# KiCad board V1.2.kicad_pcb (continued)
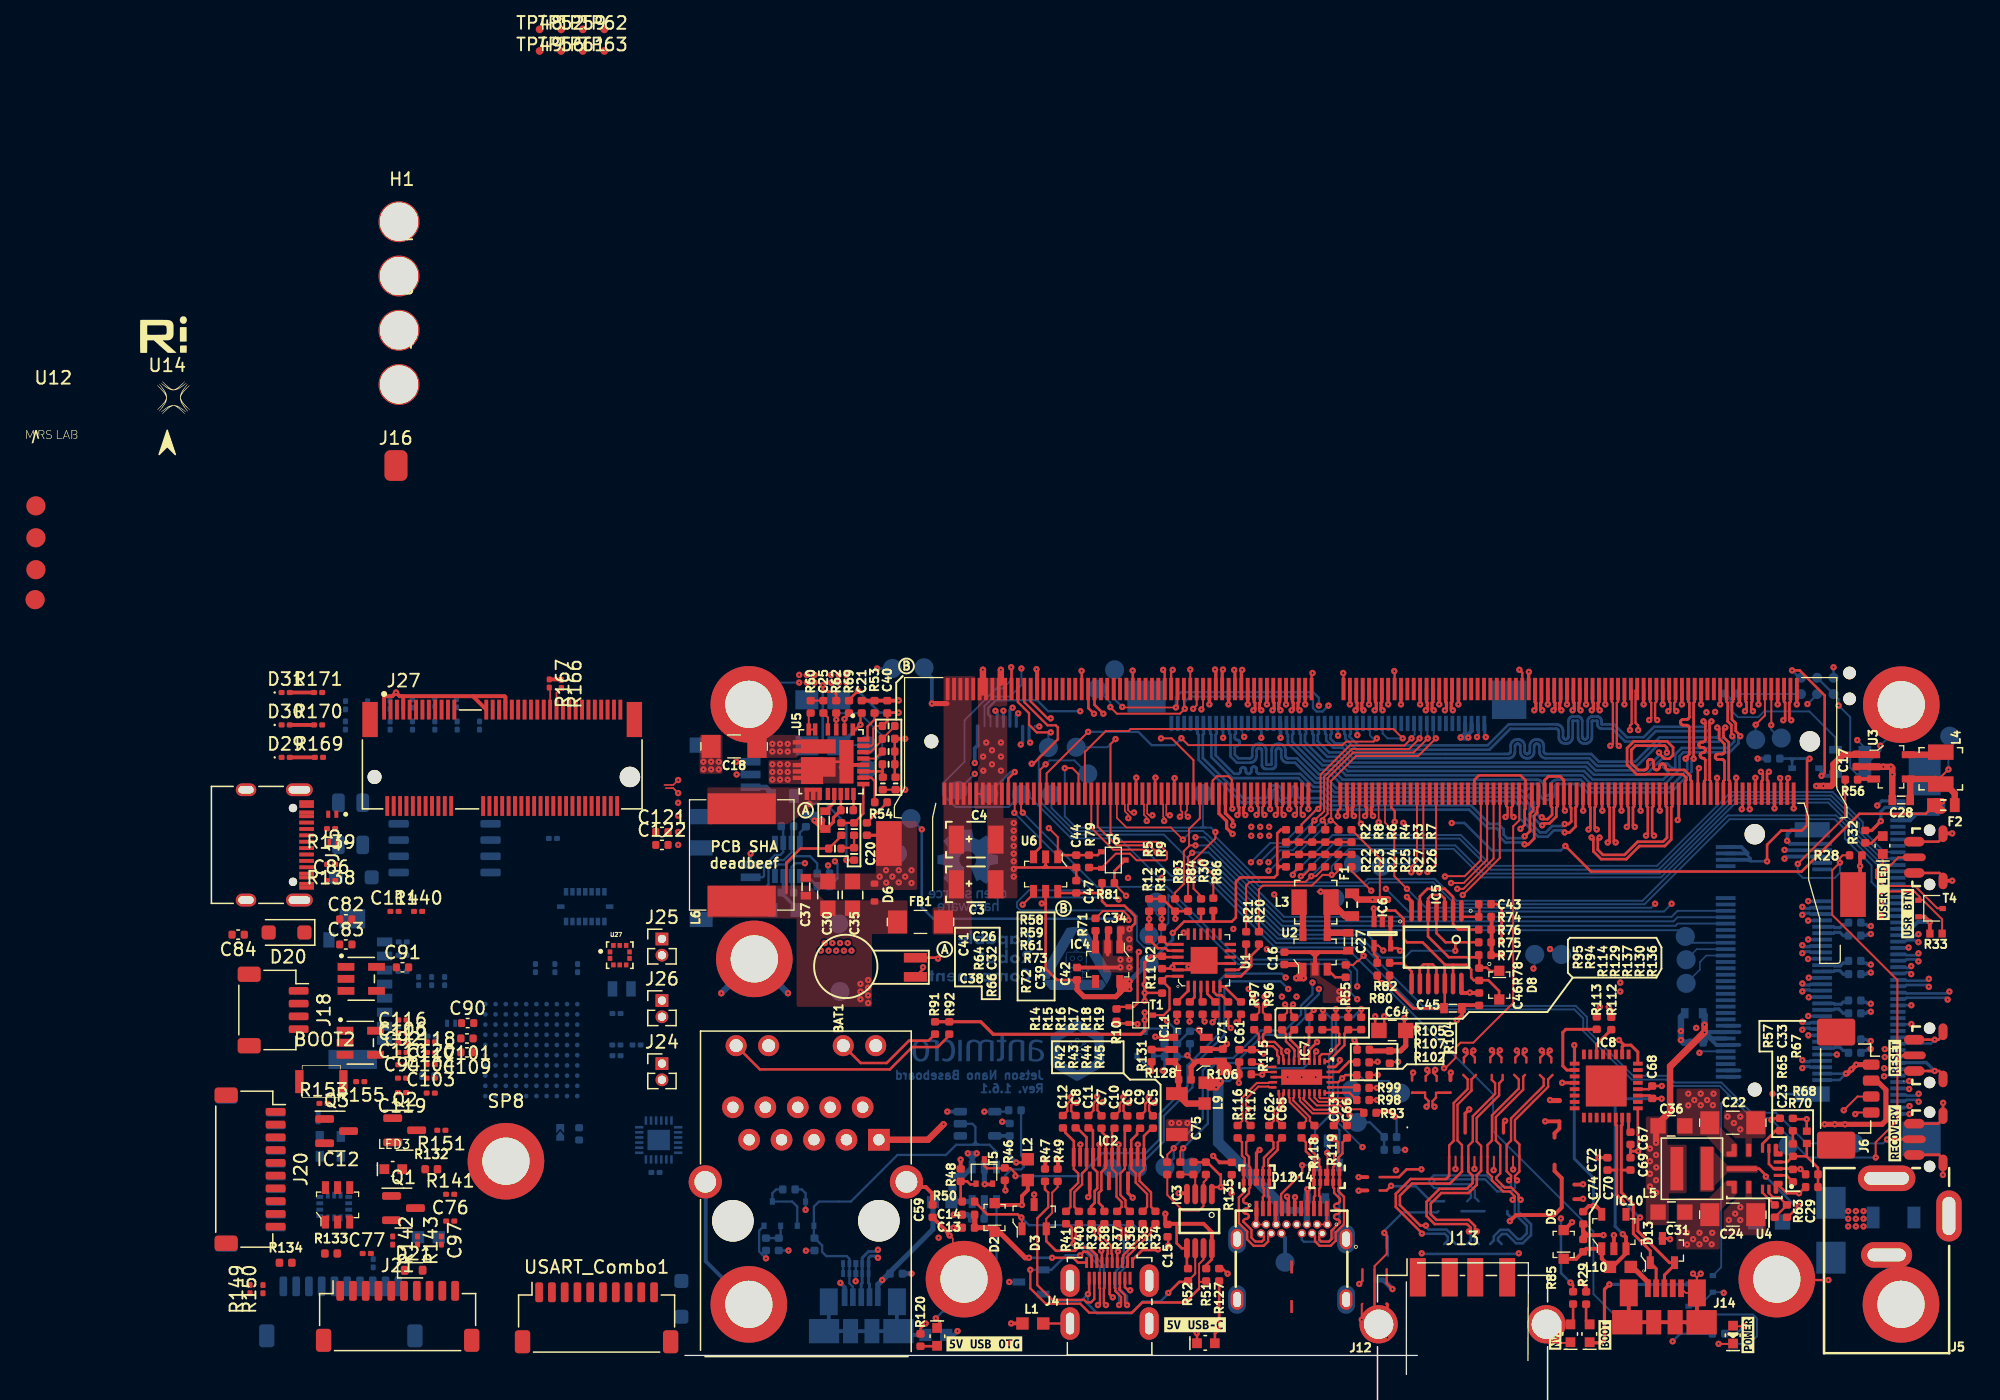
[diagram p0: board, top side]
## Routing (per net, layer and track width the routed paths; a pad name or vN(x,y) marks a point on that pad's centre or on a via; arc(x,y) is an arc through that point) (continued)
/CSI/CSI_D_D1_N: length 55.2
  Top w0.21: 71.24,42.78 71.24,44.42 71.32,44.5 71.32,45.49
  In5_3V3_SYS_SIGNAL.Cu w0.128: 95.86,20.4 95.69,20.57 94.23,20.57 93.63,21.17 82.84,21.17 81.18,22.83 77.06,22.83 73.92,25.97 73.92,26.55 73.92,26.58 73.91,26.6 73.89,26.63 73.87,26.65 73.85,26.66 73.82,26.67 73.8,26.67 73.65,26.67 73.57,26.68 73.49,26.71 73.43,26.75 73.37,26.81 73.33,26.87 73.3,26.95 73.29,27.03 73.29,27.08 73.3,27.16 73.33,27.23 73.37,27.3 73.43,27.36 73.49,27.4 73.57,27.43 73.65,27.43 74.42,27.43 74.45,27.44 74.48,27.45 74.5,27.46 74.52,27.48 74.53,27.5 74.54,27.53 74.55,27.56 74.55,27.57 74.54,27.59 74.53,27.62 74.52,27.64 74.5,27.66 74.48,27.68 74.45,27.69 74.42,27.69 73.68,27.69 73.6,27.7 73.53,27.72 73.47,27.76 73.42,27.82 73.38,27.88 73.35,27.95 73.34,28.02 73.34,28.12 73.35,28.19 73.38,28.26 73.42,28.33 73.47,28.38 73.53,28.42 73.6,28.44 73.68,28.45 74.42,28.45 74.45,28.46 74.48,28.46 74.5,28.48 74.52,28.5 74.53,28.52 74.54,28.55 74.55,28.58 74.55,28.58 74.54,28.61 74.53,28.64 74.52,28.66 74.5,28.68 74.48,28.7 74.45,28.71 74.42,28.71 73.65,28.71 73.57,28.72 73.49,28.74 73.43,28.79 73.37,28.84 73.33,28.91 73.3,28.98 73.29,29.06 73.29,29.12 73.3,29.19 73.33,29.27 73.37,29.34 73.43,29.39 73.49,29.44 73.57,29.46 73.65,29.47 73.8,29.47 73.82,29.47 73.85,29.48 73.87,29.5 73.89,29.52 73.91,29.54 73.92,29.57 73.92,29.59 73.92,38.98 73.19,39.71 71.21,39.71 70.98,39.94 69.95,40.97 69.95,43.21 70.25,43.51 71.05,43.51 71.2,43.36 71.2,42.88 v1(71.4,42.69)
  Bottom w0.21: 94.84,20.43 95.84,20.43
  vias: v1(95.89,20.4)
/CSI/CSI_D_D1_P: length 55.3
  Top w0.21: v1(70.76,42.69) 70.9,42.83 70.9,44.42 70.82,44.5 M1.66
  In5_3V3_SYS_SIGNAL.Cu w0.128: 95.86,21.03 95.66,20.83 95.37,20.83 95.34,20.83 95.32,20.84 95.29,20.85 95.27,20.87 95.26,20.9 95.25,20.93 95.24,20.95 95.24,21.06 95.24,21.09 95.23,21.12 95.21,21.14 95.19,21.16 95.17,21.18 95.14,21.19 95.11,21.19 95.09,21.19 95.06,21.18 95.04,21.16 95.01,21.14 95,21.12 94.99,21.09 94.99,21.06 94.99,20.95 94.98,20.93 94.97,20.9 94.96,20.87 94.94,20.85 94.91,20.84 94.89,20.83 94.86,20.83 94.33,20.83 94.31,20.85 94.3,20.88 94.29,20.9 94.29,20.93 94.3,20.96 94.31,20.99 94.33,21.01 94.48,21.15 94.49,21.18 94.51,21.2 94.51,21.23 94.51,21.26 94.51,21.29 94.49,21.31 94.48,21.34 94.45,21.35 94.43,21.37 94.4,21.37 94.37,21.37 94.34,21.37 94.32,21.35 94.3,21.34 94.15,21.19 94.13,21.17 94.1,21.16 94.07,21.15 94.04,21.15 94.02,21.16 93.99,21.17 93.97,21.19 93.74,21.42 82.95,21.42 81.28,23.09 77.16,23.09 74.17,26.08 74.17,26.57 74.16,26.65 74.14,26.72 74.1,26.79 74.04,26.85 73.97,26.89 73.9,26.92 73.82,26.93 73.67,26.93 73.64,26.93 73.62,26.94 73.59,26.95 73.57,26.97 73.56,27 73.55,27.02 73.55,27.05 73.55,27.06 73.55,27.09 73.56,27.11 73.57,27.13 73.59,27.15 73.62,27.17 73.64,27.18 73.67,27.18 74.45,27.18 74.52,27.19 74.6,27.22 74.67,27.26 74.72,27.32 74.76,27.38 74.79,27.46 74.8,27.54 74.8,27.59 74.79,27.67 74.76,27.74 74.72,27.81 74.67,27.87 74.6,27.91 74.52,27.93 74.45,27.94 73.7,27.94 73.67,27.95 73.65,27.95 73.63,27.96 73.62,27.98 73.61,28 73.6,28.02 73.6,28.04 73.6,28.1 73.6,28.12 73.61,28.14 73.62,28.16 73.63,28.18 73.65,28.19 73.67,28.2 73.7,28.2 74.45,28.2 74.52,28.21 74.6,28.23 74.67,28.28 74.72,28.33 74.76,28.4 74.79,28.48 74.8,28.55 74.8,28.61 74.79,28.69 74.76,28.76 74.72,28.83 74.67,28.88 74.6,28.93 74.52,28.95 74.45,28.96 73.67,28.96 73.64,28.96 73.62,28.97 73.59,28.99 73.57,29.01 73.56,29.03 73.55,29.06 73.55,29.08 73.55,29.09 73.55,29.12 73.56,29.15 73.57,29.17 73.59,29.19 73.62,29.21 73.64,29.21 73.67,29.22 73.82,29.22 73.9,29.23 73.97,29.25 74.04,29.29 74.1,29.35 74.14,29.42 74.16,29.49 74.17,29.57 74.17,39.09 73.29,39.97 71.31,39.97 70.2,41.08 70.2,43.11 70.35,43.26 70.95,43.26 70.95,42.88 v1(70.76,42.69)
  Bottom w0.21: 94.84,20.93 95.8,20.93 95.86,20.99
  vias: v1(95.89,21.03)
/CSI/CSI_E_CLK_N: length 43.8
  Top w0.21: M1.28 80.32,46.48 80.24,46.56 80.24,51.02 v1(80.38,51.16)
  Bottom w0.21: 51.64,50.91 51.64,50.19 51.72,50.11 51.72,49.81 52.59,48.94 62.99,48.94 64.64,50.58 68.21,50.58 68.26,50.58 68.31,50.56 68.34,50.54 68.38,50.5 68.4,50.46 68.42,50.42 68.42,50.37 68.42,49.93 68.44,49.82 68.47,49.71 68.54,49.61 68.62,49.53 68.71,49.47 68.82,49.43 68.94,49.42 69,49.42 69.11,49.43 69.22,49.47 69.32,49.53 69.4,49.61 69.46,49.71 69.5,49.82 69.51,49.93 69.51,51.14 69.52,51.16 69.52,51.17 69.53,51.18 69.54,51.19 69.55,51.2 69.56,51.2 69.57,51.2 69.88,51.2 69.89,51.2 69.9,51.2 69.91,51.19 69.92,51.18 69.93,51.17 69.93,51.16 69.93,51.14 69.93,49.93 69.95,49.82 69.98,49.71 70.05,49.61 70.13,49.53 70.22,49.47 70.33,49.43 70.45,49.42 70.51,49.42 70.62,49.43 70.73,49.47 70.83,49.53 70.91,49.61 70.97,49.71 71.01,49.82 71.02,49.93 71.02,51.14 71.03,51.16 71.03,51.17 71.04,51.18 71.05,51.19 71.06,51.2 71.07,51.2 71.08,51.2 71.39,51.2 71.4,51.2 71.41,51.2 71.42,51.19 71.43,51.18 71.44,51.17 71.44,51.16 71.44,51.14 71.44,50.95 71.45,50.87 71.48,50.79 71.52,50.72 71.58,50.66 71.65,50.62 71.73,50.59 71.81,50.58 72.62,50.58 73.62,49.58 75.21,49.58 76.03,50.39 80.04,50.39 80.24,50.59 80.24,51.02 v1(80.38,51.16)
/CSI/CSI_E_CLK_P: length 43.8
  Top w0.21: M1.30 79.82,46.48 79.9,46.56 79.9,48.07 79.9,48.12 79.88,48.16 79.86,48.2 79.82,48.23 79.78,48.26 79.74,48.27 79.65,48.28 79.61,48.3 79.57,48.32 79.53,48.36 79.51,48.4 79.49,48.44 79.49,48.49 79.49,48.49 79.49,48.54 79.51,48.58 79.53,48.62 79.57,48.65 79.61,48.68 79.65,48.69 79.74,48.7 79.78,48.72 79.82,48.74 79.86,48.78 79.88,48.82 79.9,48.86 79.9,48.91 79.9,48.95 79.88,49 79.86,49.04 79.82,49.07 79.78,49.09 79.74,49.11 79.69,49.12 79.6,49.12 79.55,49.12 79.51,49.14 79.47,49.16 79.43,49.19 79.41,49.23 79.39,49.28 79.39,49.33 79.39,49.37 79.41,49.42 79.43,49.46 79.47,49.49 79.51,49.51 79.55,49.53 79.6,49.54 79.69,49.54 79.74,49.54 79.78,49.56 79.82,49.58 79.86,49.61 79.88,49.65 79.9,49.7 79.9,49.75 79.9,51.02 v1(79.76,51.16)
  Bottom w0.21: v1(79.76,51.16) 79.9,51.02 79.9,50.73 75.89,50.73 75.07,49.91 73.76,49.91 72.76,50.92 71.84,50.92 71.82,50.92 71.81,50.92 71.8,50.93 71.79,50.94 71.78,50.95 71.78,50.96 71.78,50.98 71.78,51.17 71.77,51.25 71.74,51.33 71.7,51.4 71.64,51.46 71.57,51.5 71.49,51.53 71.41,51.54 71.06,51.54 70.98,51.53 70.9,51.5 70.83,51.46 70.77,51.4 70.73,51.33 70.7,51.25 70.69,51.17 70.69,49.96 70.68,49.91 70.67,49.87 70.64,49.83 70.61,49.8 70.57,49.77 70.53,49.76 70.48,49.75 70.43,49.76 70.39,49.77 70.35,49.8 70.31,49.83 70.29,49.87 70.27,49.91 70.27,49.96 70.27,51.17 70.26,51.25 70.23,51.33 70.19,51.4 70.13,51.46 70.06,51.5 69.98,51.53 69.9,51.54 69.55,51.54 69.47,51.53 69.39,51.5 69.32,51.46 69.26,51.4 69.22,51.33 69.19,51.25 69.18,51.17 69.18,49.96 69.17,49.91 69.16,49.87 69.13,49.83 69.1,49.8 69.06,49.77 69.02,49.76 68.97,49.75 68.92,49.76 68.88,49.77 68.84,49.8 68.8,49.83 68.78,49.87 68.76,49.91 68.76,49.96 68.76,50.4 68.75,50.52 68.71,50.63 68.65,50.72 68.57,50.81 68.47,50.87 68.36,50.91 68.25,50.92 64.5,50.92 62.85,49.27 52.72,49.27 52.05,49.94 52.05,50.11 52.14,50.19 52.14,50.91
/CSI/CSI_E_D0_N: length 43.7
  Top w0.21: v1(81.46,50.67) 81.32,50.53 81.32,49.93 81.74,49.52 81.74,46.56 81.82,46.48 M1.22
  Bottom w0.21: 50.14,50.91 50.14,50.19 50.22,50.11 50.22,49.65 50.78,49.09 51.48,49.09 52.31,48.27 64.48,48.27 64.59,48.28 64.7,48.32 64.8,48.38 64.88,48.46 64.94,48.56 64.98,48.67 64.99,48.78 64.99,49.2 65,49.24 65.01,49.29 65.04,49.33 65.07,49.36 65.11,49.39 65.16,49.4 65.2,49.41 65.25,49.4 65.29,49.39 65.33,49.36 65.37,49.33 65.39,49.29 65.41,49.24 65.41,49.2 65.41,48.78 65.43,48.67 65.46,48.56 65.53,48.46 65.61,48.38 65.7,48.32 65.81,48.28 65.93,48.27 65.98,48.27 66.09,48.28 66.2,48.32 66.3,48.38 66.38,48.46 66.44,48.56 66.48,48.67 66.49,48.78 66.49,49.2 66.5,49.24 66.51,49.29 66.54,49.33 66.57,49.36 66.61,49.39 66.66,49.4 66.7,49.41 66.75,49.4 66.79,49.39 66.83,49.36 66.87,49.33 66.89,49.29 66.91,49.24 66.91,49.2 66.91,48.78 66.93,48.67 66.96,48.56 67.03,48.46 67.11,48.38 67.2,48.32 67.31,48.28 67.43,48.27 70.83,48.27 71.43,47.67 74.55,47.67 75.79,48.91 75.79,48.91 76.07,49.19 76.08,49.19 76.45,49.56 80.95,49.56 81.32,49.93 81.32,50.53 v1(81.46,50.67)
/CSI/CSI_E_D0_P: length 43.7
  Top w0.21: v1(80.84,50.67) 80.98,50.53 80.98,49.8 81.4,49.38 81.4,48.81 81.4,48.76 81.38,48.72 81.36,48.68 81.32,48.64 81.28,48.62 81.24,48.6 81.19,48.6 80.88,48.6 80.84,48.59 80.79,48.58 80.75,48.55 80.72,48.52 80.7,48.48 80.68,48.43 80.67,48.39 80.68,48.34 80.7,48.3 80.72,48.26 80.75,48.22 80.79,48.2 80.84,48.18 80.88,48.18 81.19,48.18 81.24,48.17 81.28,48.16 81.32,48.13 81.36,48.1 81.38,48.06 81.4,48.01 81.4,47.97 81.4,46.56 81.32,46.48 M1.24
  Bottom w0.21: v1(80.84,50.67) 80.98,50.53 80.98,50.07 80.81,49.9 76.31,49.9 75.94,49.53 75.93,49.53 75.46,49.05 75.46,49.05 74.41,48 71.57,48 70.97,48.6 67.46,48.6 67.41,48.61 67.37,48.62 67.33,48.65 67.29,48.68 67.27,48.72 67.25,48.77 67.25,48.81 67.25,49.23 67.24,49.34 67.2,49.45 67.14,49.55 67.06,49.63 66.96,49.69 66.85,49.73 66.74,49.74 66.67,49.74 66.56,49.73 66.45,49.69 66.35,49.63 66.27,49.55 66.21,49.45 66.17,49.34 66.16,49.23 66.16,48.81 66.15,48.77 66.14,48.72 66.11,48.68 66.08,48.65 66.04,48.62 66,48.61 65.95,48.6 65.96,48.6 65.91,48.61 65.87,48.62 65.83,48.65 65.79,48.68 65.77,48.72 65.75,48.77 65.75,48.81 65.75,49.23 65.74,49.34 65.7,49.45 65.64,49.55 65.56,49.63 65.46,49.69 65.35,49.73 65.24,49.74 65.17,49.74 65.06,49.73 64.95,49.69 64.85,49.63 64.77,49.55 64.71,49.45 64.67,49.34 64.66,49.23 64.66,48.81 64.65,48.77 64.64,48.72 64.61,48.68 64.58,48.65 64.54,48.62 64.5,48.61 64.45,48.6 64.21,48.6 52.45,48.6 51.62,49.43 50.92,49.43 50.55,49.79 50.55,50.11 50.64,50.19 50.64,50.91
/CSI/CSI_E_D1_N: length 43.7
  Top w0.21: v1(76.9,48.71) 76.9,49.08 76.72,49.26 74.44,49.26 74.11,48.93 74.11,47.89 74.65,47.35 75.14,47.35 75.19,47.36 75.24,47.37 75.28,47.4 75.32,47.44 75.35,47.48 75.37,47.53 75.37,47.59 75.37,47.95 75.38,48 75.4,48.05 75.42,48.1 75.46,48.14 75.51,48.16 75.55,48.18 75.61,48.19 75.66,48.18 75.71,48.16 75.75,48.14 75.79,48.1 75.82,48.05 75.84,48 75.84,47.95 75.84,47.59 75.85,47.53 75.87,47.48 75.89,47.44 75.93,47.4 75.98,47.37 76.02,47.36 76.08,47.35 76.13,47.36 76.18,47.37 76.22,47.4 76.26,47.44 76.29,47.48 76.31,47.53 76.31,47.59 76.31,47.6 76.32,47.65 76.34,47.7 76.36,47.75 76.4,47.79 76.45,47.81 76.49,47.83 76.55,47.84 76.6,47.83 76.65,47.81 76.69,47.79 76.73,47.75 76.76,47.7 76.78,47.65 76.78,47.6 76.78,47.59 76.79,47.53 76.81,47.48 76.83,47.44 76.87,47.4 76.92,47.37 76.96,47.36 77.02,47.35 78.27,47.35 78.74,46.89 78.74,46.56 78.82,46.48 78.82,45.49
  Bottom w0.21: 49.14,50.91 49.14,50.19 49.22,50.11 49.22,49.47 50.3,48.39 51.24,48.39 52.03,47.6 70.55,47.6 71.17,46.98 75.26,46.98 76.75,48.47 76.75,48.57 v1(76.9,48.71) 76.9,48.66
/CSI/CSI_E_D1_P: length 43.5
  Top w0.21: v1(76.27,48.71) 76.27,48.66 76.7,48.23 77.09,48.23 77.38,48.52 77.38,49.12 76.91,49.59 74.31,49.59 73.78,49.06 73.78,47.75 74.51,47.02 78.13,47.02 78.4,46.75 78.4,46.56 78.32,46.48 78.32,45.49
  Bottom w0.21: 49.64,50.91 49.64,50.19 49.55,50.11 49.55,49.61 50.44,48.72 51.38,48.72 52.17,47.93 70.69,47.93 71.31,47.31 75.12,47.31 76.39,48.59 v1(76.27,48.71)
/CSI/CSI_F_D0_N: length 43.7
  Top w0.21: v1(82.64,50) 82.64,50.05 82.28,50.41 82.28,51.01 81.99,51.3 81.99,52.62 82.07,52.7 M1.21
  Bottom w0.21: v1(82.64,50) 82.49,49.85 82.49,49.43 81.8,48.73 78.18,48.73 77.88,48.43 77.88,47.39 76.75,46.27 70.94,46.27 70.27,46.93 51.75,46.93 50.96,47.72 49.92,47.72 48.22,49.42 48.22,50.11 48.14,50.19 48.14,50.91
/CSI/CSI_F_D0_P: length 43.7
  Top w0.21: M1.23 81.57,52.7 81.65,52.62 81.65,51.16 81.94,50.87 81.94,50.07 v1(82.01,50)
  Bottom w0.21: v1(82.01,50) 82.16,49.85 82.16,49.57 81.66,49.07 78.04,49.07 77.55,48.57 77.55,47.53 77.51,47.5 77.47,47.48 77.42,47.47 77.37,47.47 77.33,47.48 77.29,47.5 77.25,47.53 76.98,47.8 76.95,47.83 76.9,47.85 76.86,47.86 76.81,47.86 76.76,47.85 76.72,47.83 76.69,47.8 76.66,47.76 76.64,47.72 76.63,47.67 76.63,47.63 76.64,47.58 76.66,47.54 76.69,47.5 76.95,47.24 76.98,47.2 77,47.16 77.01,47.11 77.01,47.06 77,47.02 76.98,46.98 76.95,46.94 76.62,46.6 71.07,46.6 70.41,47.26 51.89,47.26 51.1,48.05 50.06,48.05 48.55,49.55 48.55,50.11 48.64,50.19 48.64,50.91
/CSI/CSI_F_D1_N: length 43.8
  Top w0.21: v1(78.99,48.23) 78.99,52.62 79.07,52.7 M1.33
  Bottom w0.21: v1(78.99,48.23) 78.99,48.18 78.82,48.02 78.82,47.21 77.21,45.6 70.66,45.6 70,46.26 68.36,46.26 68.31,46.25 68.25,46.23 68.2,46.2 68.16,46.16 68.13,46.11 68.11,46.06 68.11,46 68.11,45.57 68.09,45.44 68.05,45.32 67.98,45.22 67.9,45.13 67.79,45.06 67.67,45.02 67.55,45.01 67.48,45.01 67.36,45.02 67.24,45.06 67.13,45.13 67.04,45.22 66.98,45.32 66.94,45.44 66.92,45.57 66.92,46 66.91,46.06 66.9,46.11 66.87,46.16 66.82,46.2 66.78,46.23 66.72,46.25 66.66,46.26 51.36,46.26 50.59,47.03 49.62,47.03 47.22,49.43 47.22,49.57 47.21,49.58 47.21,49.98 47.22,49.98 47.22,50.11 47.14,50.19 47.14,50.91
/CSI/CSI_F_D1_P: length 43.8
  Top w0.21: v1(78.36,48.23) 78.51,48.38 78.51,48.43 78.65,48.58 78.65,50.64 78.65,50.69 78.63,50.73 78.6,50.78 78.57,50.81 78.52,50.84 78.48,50.85 78.43,50.86 78.18,50.86 78.13,50.87 78.08,50.88 78.04,50.91 78,50.95 77.97,50.99 77.96,51.04 77.95,51.09 77.96,51.14 77.97,51.18 78,51.23 78.04,51.26 78.08,51.29 78.13,51.3 78.18,51.31 78.43,51.31 78.48,51.32 78.52,51.33 78.57,51.36 78.6,51.4 78.63,51.44 78.65,51.49 78.65,51.54 78.65,52.62 78.57,52.7 M1.35
  Bottom w0.21: v1(78.36,48.23) 78.49,48.11 78.49,47.35 77.07,45.93 70.8,45.93 70.14,46.59 68.33,46.59 68.21,46.58 68.09,46.54 67.98,46.47 67.89,46.38 67.83,46.28 67.79,46.16 67.77,46.03 67.77,45.6 67.76,45.54 67.75,45.49 67.72,45.44 67.67,45.4 67.63,45.37 67.57,45.35 67.51,45.34 67.46,45.35 67.4,45.37 67.35,45.4 67.31,45.44 67.28,45.49 67.26,45.54 67.26,45.6 67.26,46.03 67.24,46.16 67.2,46.28 67.13,46.38 67.05,46.47 66.94,46.54 66.82,46.58 66.7,46.59 51.5,46.59 50.73,47.36 49.76,47.36 47.55,49.57 47.55,50.11 47.64,50.19 47.64,50.91
/CSI/CSI_G_CLK_N: length 37.3
  Top w0.21: v1(67.13,43.02) 67.28,43.16 67.7,43.16 68.24,43.7 68.24,44.42 68.32,44.5 M1.76
  Bottom w0.21: v1(67.13,43.02) 67.04,43.02 66.15,43.91 66.15,44.66 65.22,45.59 50.89,45.59 50.12,46.36 49.34,46.36 47.78,47.92 47.2,47.92 47.09,47.94 46.98,47.97 46.88,48.04 46.8,48.12 46.74,48.21 46.7,48.32 46.69,48.44 46.69,48.86 46.68,48.9 46.67,48.95 46.64,48.99 46.61,49.02 46.57,49.04 46.53,49.06 46.48,49.07 46.43,49.06 46.39,49.04 46.35,49.02 46.32,48.99 46.29,48.95 46.27,48.9 46.27,48.86 46.27,47.74 46.26,47.67 46.24,47.61 46.2,47.55 46.15,47.5 46.09,47.46 46.03,47.44 45.96,47.43 45.49,47.43 45.42,47.44 45.36,47.46 45.3,47.5 45.25,47.55 45.21,47.61 45.19,47.67 45.18,47.74 45.18,48.86 45.17,48.9 45.16,48.95 45.13,48.99 45.1,49.02 45.06,49.04 45.02,49.06 44.97,49.07 44.92,49.06 44.88,49.04 44.84,49.02 44.81,48.99 44.78,48.95 44.76,48.9 44.76,48.86 44.76,48.44 44.75,48.32 44.71,48.21 44.65,48.12 44.57,48.04 44.47,47.97 44.36,47.94 44.25,47.92 43.21,47.92 42.72,48.42 42.72,50.11 42.64,50.19 42.64,50.91
/CSI/CSI_G_CLK_P: length 37.3
  Top w0.21: v1(67.09,43.65) 67.24,43.5 67.56,43.5 67.9,43.84 67.9,44.42 67.82,44.5 M1.78
  Bottom w0.21: 45.93,48.9 45.93,47.77 45.51,47.77 45.51,48.9 ; 45.93,48.89 45.95,49 45.99,49.11 46.05,49.21 46.13,49.29 46.22,49.35 46.33,49.39 46.45,49.4 46.51,49.4 46.62,49.39 46.73,49.35 46.83,49.29 46.91,49.21 46.97,49.11 47.01,49 47.02,48.89 47.02,48.47 47.03,48.42 47.05,48.38 47.07,48.34 47.1,48.3 47.14,48.28 47.19,48.26 47.23,48.26 47.91,48.26 49.48,46.69 50.26,46.69 51.03,45.92 65.36,45.92 65.55,45.73 65.59,45.71 65.63,45.69 65.68,45.67 65.72,45.67 65.77,45.69 65.81,45.71 65.85,45.73 65.97,45.86 66.01,45.89 66.05,45.91 66.1,45.92 66.15,45.92 66.19,45.91 66.23,45.89 66.27,45.86 66.3,45.83 66.32,45.78 66.33,45.74 66.33,45.69 66.32,45.64 66.3,45.6 66.27,45.57 66.14,45.44 66.12,45.4 66.09,45.36 66.08,45.31 66.08,45.27 66.09,45.22 66.12,45.18 66.14,45.14 66.48,44.8 66.48,44.15 66.99,43.65 v1(67.09,43.65) ; 43.14,50.91 43.14,50.19 43.05,50.11 43.05,49.9 43.06,49.85 43.07,49.81 43.1,49.77 43.13,49.74 43.16,49.72 43.2,49.71 43.29,49.7 43.33,49.68 43.37,49.66 43.4,49.63 43.42,49.59 43.44,49.55 43.44,49.51 43.44,49.48 43.44,49.43 43.42,49.39 43.4,49.35 43.37,49.32 43.33,49.3 43.29,49.29 43.2,49.28 43.16,49.26 43.13,49.24 43.1,49.21 43.07,49.17 43.06,49.13 43.05,49.09 43.05,48.56 43.35,48.26 44.21,48.26 44.26,48.26 44.31,48.28 44.35,48.3 44.38,48.34 44.4,48.38 44.42,48.42 44.42,48.47 44.42,48.89 44.44,49 44.48,49.11 44.54,49.21 44.62,49.29 44.71,49.35 44.82,49.39 44.94,49.4 45,49.4 45.11,49.39 45.22,49.35 45.32,49.29 45.4,49.21 45.46,49.11 45.5,49 45.51,48.89
/CSI/CSI_G_D0_N: length 37.3
  Top w0.21: v1(68.89,42.46) 69.27,42.46 69.74,42.92 69.74,44.42 69.83,44.51 69.83,44.79 69.82,44.81 M1.70
  Bottom w0.21: v1(68.89,42.46) 68.73,42.62 68.04,42.62 67.55,42.12 66.82,42.12 65.39,43.55 65.39,44.47 64.95,44.92 50.61,44.92 49.84,45.69 49.06,45.69 48.04,46.71 42.86,46.71 41.22,48.36 41.22,50.11 41.14,50.19 41.14,50.91
/CSI/CSI_G_D0_P: length 37.3
  Top w0.21: v1(68.89,43.12) 69.2,43.12 69.4,43.31 69.4,44.36 69.32,44.44 M1.72
  Bottom w0.21: 41.64,50.91 41.64,50.19 41.55,50.11 41.55,48.5 43,47.05 43.29,47.05 43.34,47.05 43.39,47.07 43.43,47.09 43.46,47.13 43.48,47.17 43.5,47.21 43.5,47.26 43.5,47.35 43.51,47.39 43.52,47.44 43.55,47.48 43.58,47.51 43.62,47.54 43.67,47.55 43.71,47.56 43.76,47.55 43.81,47.54 43.85,47.51 43.88,47.48 43.9,47.44 43.92,47.39 43.92,47.35 43.92,47.26 43.93,47.21 43.94,47.17 43.97,47.13 44,47.09 44.04,47.07 44.09,47.05 44.13,47.05 44.18,47.05 44.23,47.07 44.27,47.09 44.3,47.13 44.32,47.17 44.34,47.21 44.34,47.26 44.34,47.4 44.35,47.44 44.36,47.49 44.39,47.53 44.42,47.56 44.46,47.59 44.51,47.6 44.55,47.61 44.6,47.6 44.65,47.59 44.69,47.56 44.72,47.53 44.74,47.49 44.76,47.44 44.76,47.4 44.76,47.26 44.77,47.21 44.78,47.17 44.81,47.13 44.84,47.09 44.88,47.07 44.93,47.05 44.97,47.05 48.18,47.05 49.2,46.02 49.98,46.02 50.75,45.25 65.08,45.25 65.72,44.61 65.72,43.69 66.95,42.46 67.41,42.46 67.9,42.95 68.73,42.95 v1(68.89,43.12)
/CSI/CSI_G_D1_N: length 37.3
  Top w0.21: v1(65.75,41.52) 66.04,41.52 66.5,41.98 66.5,43.77 66.74,44 66.74,44.42 66.82,44.5 M1.82
  Bottom w0.21: v1(65.75,41.52) 65.6,41.67 64.24,41.67 63.77,42.14 63.77,42.56 63.55,42.79 62.86,42.79 61.4,44.25 50.34,44.25 49.77,44.81 46.94,44.81 46.82,44.82 46.71,44.86 46.62,44.92 46.53,45 46.47,45.1 46.43,45.21 46.42,45.32 46.42,45.6 46.42,45.65 46.4,45.7 46.38,45.74 46.34,45.77 46.3,45.79 46.26,45.81 46.21,45.81 46.17,45.81 46.12,45.79 46.08,45.77 46.05,45.74 46.02,45.7 46.01,45.65 46,45.6 46,45.32 45.99,45.21 45.95,45.1 45.89,45 45.81,44.92 45.71,44.86 45.6,44.82 45.49,44.81 45.46,44.81 43.55,44.81 40.22,48.14 40.22,50.11 40.14,50.19 40.14,50.91
/CSI/CSI_G_D1_P: length 37.3
  Top w0.21: v1(65.76,42.16) 65.76,42.15 66.17,42.55 66.17,43.91 66.4,44.14 66.4,44.42 66.32,44.5 M1.84
  Bottom w0.21: v1(65.76,42.16) 65.61,42.01 64.38,42.01 64.11,42.28 64.11,42.7 63.69,43.12 63,43.12 61.54,44.58 50.48,44.58 49.91,45.15 48.18,45.15 48.13,45.15 48.08,45.17 48.04,45.2 48.01,45.23 47.98,45.27 47.96,45.32 47.96,45.37 47.96,45.85 47.95,45.9 47.93,45.95 47.91,46 47.87,46.03 47.83,46.06 47.78,46.07 47.73,46.08 47.68,46.07 47.63,46.06 47.59,46.03 47.56,46 47.53,45.95 47.51,45.9 47.51,45.85 47.51,45.37 47.5,45.32 47.48,45.27 47.46,45.23 47.42,45.2 47.38,45.17 47.33,45.15 47.28,45.15 46.97,45.15 46.92,45.15 46.88,45.17 46.84,45.19 46.8,45.23 46.78,45.27 46.76,45.31 46.76,45.36 46.76,45.64 46.74,45.75 46.71,45.86 46.64,45.96 46.56,46.04 46.47,46.1 46.36,46.14 46.24,46.15 46.18,46.15 46.07,46.14 45.96,46.1 45.86,46.04 45.78,45.96 45.72,45.86 45.68,45.75 45.67,45.64 45.67,45.36 45.66,45.31 45.65,45.27 45.62,45.23 45.59,45.19 45.55,45.17 45.5,45.15 45.46,45.15 43.69,45.15 40.55,48.28 40.55,50.11 40.64,50.19 40.64,50.91
/Display/TMDS_C1_CLK_N: length 7.4
  Top w0.18: IC2.12 30.44,16.09 30.79,15.75 30.79,15.01 30.19,14.41 30.19,13.12 R41.1
  Top w0.2: 29.78,19.35 29.78,18.95 30.44,18.28 IC2.12
/Display/TMDS_C1_CLK_P: length 7.3
  Top w0.18: R40.1 30.49,13.12 30.49,14.28 31.1,14.88 31.1,15.75 31.44,16.1 IC2.10
  Top w0.2: IC2.10 31.44,18.57 30.75,19.26
/Display/TMDS_C1_D0_N: length 7
  Top w0.2: 31.71,19.36 31.94,19.13 IC2.9 31.94,16.19 32.28,15.85 32.28,14.56 32.08,14.36 32.08,13.44 31.79,13.16 31.79,12.77
/Display/TMDS_C1_D0_P: length 7.1
  Top w0.2: 32.67,19.36 32.67,18.97 33.04,18.59 33.04,18.07 32.94,17.97 IC2.7 32.94,16.19 32.61,15.85 32.61,14.43 32.41,14.23 32.41,13.44 32.69,13.16 32.69,12.77
/Display/TMDS_C1_D1_N: length 7.1
  Top w0.18: IC2.6 33.44,16.1 33.79,15.76 33.79,13.92 34.19,13.52 34.19,13.12 R37.1
  Top w0.2: IC2.6 33.44,19.19 33.62,19.36
/Display/TMDS_C1_D1_P: length 7.1
  Top w0.18: IC2.4 34.44,16.11 34.44,16.11 34.1,15.76 34.1,14.05 34.49,13.65 34.49,13.12 R36.1
  Top w0.2: IC2.4 34.44,19.23 34.58,19.36
/Display/TMDS_C1_D2_N: length 7.5
  Top w0.18: R35.1 36.19,13.13 36.19,14.13 35.29,15.03 35.29,15.76 34.94,16.1 IC2.3
  Top w0.2: IC2.3 34.94,18.35 35.4,18.81 35.4,19.23 35.54,19.36
/Display/TMDS_C1_D2_P: length 7.3
  Top w0.18: R34.1 36.49,13.13 36.49,14.26 35.6,15.16 35.6,15.73 35.94,16.07 IC2.1
  Top w0.2: IC2.1 35.94,18.68 36.49,19.23
/Display/TMDS_CEC: length 50.8
  Top w0.15: v1(60.91,37.56) 63.81,40.46 63.81,45.48 M1.94
  In3_SIGNAL.Cu w0.15: v1(47.24,30.2) 48.24,30.2 49.14,29.3 50.04,29.3 50.54,29.8 50.54,32.5 52.34,34.29 58.04,34.29 60.91,37.16 v1(60.91,37.56)
  Bottom w0.18: TP25.1 37.49,18.25 37.49,20.25 39.74,22.5 39.74,24.1 42.24,26.6 42.24,30.3 42.74,30.8 46.64,30.8 v1(47.24,30.2)
/Display/TMDS_CEC_IN: length 10.3
  Top w0.15: 29.18,15.13 29.18,14.67 28.75,14.24 28.75,12.65 28.29,12.2 D3.2
  Top w0.2: J4.15 32.25,9.34 31.65,9.94 30.8,9.94 30.55,9.69 29.05,9.69 28.29,10.45 D3.2
/Display/TMDS_CLK_C_N: length 9.8
  Top w0.18: 29.99,11.8 30.29,11.51 30.29,10.63 30.43,10.5 v1(30.43,10.27) ; v1(32.34,5.44) 32.5,5.6 32.5,6.74 32.45,6.79 J4.14
  Bottom w0.18: v1(30.43,10.27) 30.66,10.27 32.5,8.43 32.5,5.6 v1(32.34,5.44)
/Display/TMDS_CLK_C_P: length 9.8
  Top w0.18: J4.12 32.85,6.79 32.8,6.74 32.8,5.6 v1(32.96,5.44) ; 30.89,11.8 30.6,11.51 30.6,10.76 30.64,10.71 v1(30.87,10.71)
  Bottom w0.18: v1(32.96,5.44) 32.8,5.6 32.8,8.55 30.87,10.48 v1(30.87,10.71)
/Display/TMDS_CLK_N: length 70.7
  Top w0.18: C12.1 29.94,20.63 29.94,21.21 30.22,21.49 v1(30.22,21.72)
  Top w0.25: v1(67.13,52.03) 67.01,52.15 67.01,52.61 67.07,52.68 67.07,53.69
  In3_SIGNAL.Cu w0.18: v1(30.22,21.72) 30.08,21.58 29.84,21.58 29.39,22.03 29.39,22.55 29.4,22.59 29.41,22.63 29.43,22.66 29.46,22.69 29.5,22.71 29.53,22.72 29.57,22.73 29.7,22.73 29.74,22.73 29.78,22.75 29.81,22.77 29.84,22.8 29.86,22.83 29.87,22.87 29.88,22.91 29.87,22.95 29.86,22.99 29.84,23.02 29.81,23.05 29.78,23.07 29.74,23.08 29.7,23.09 29.57,23.09 29.53,23.09 29.5,23.11 29.46,23.13 29.43,23.16 29.41,23.19 29.4,23.23 29.39,23.27 29.39,28.78 29.38,28.88 29.35,28.97 29.3,29.06 29.22,29.13 29.14,29.18 29.04,29.21 28.94,29.23 28.76,29.23 28.73,29.23 28.69,29.24 28.66,29.26 28.63,29.29 28.61,29.32 28.6,29.36 28.59,29.4 28.59,29.45 28.6,29.49 28.61,29.52 28.63,29.56 28.66,29.58 28.69,29.6 28.73,29.62 28.76,29.62 28.94,29.62 29.04,29.63 29.14,29.67 29.22,29.72 29.3,29.79 29.35,29.88 29.38,29.97 29.39,30.07 29.39,30.18 29.38,30.28 29.35,30.37 29.3,30.46 29.22,30.53 29.14,30.58 29.04,30.61 28.94,30.63 28.76,30.63 28.73,30.63 28.69,30.64 28.66,30.66 28.63,30.69 28.61,30.72 28.6,30.76 28.59,30.8 28.59,30.85 28.6,30.89 28.61,30.92 28.63,30.96 28.66,30.98 28.69,31 28.73,31.02 28.76,31.02 28.94,31.02 29.04,31.03 29.14,31.07 29.22,31.12 29.3,31.19 29.35,31.28 29.38,31.37 29.39,31.47 29.39,35 30.79,36.4 30.79,44.77 34.44,48.42 64.73,48.42 67.13,50.82 v1(67.13,52.03)
/Display/TMDS_CLK_P: length 70.7
  Top w0.18: v1(30.66,21.28) 30.44,21.28 30.24,21.08 30.24,20.63 C8.1
  Top w0.25: v1(66.51,52.03) 66.63,52.15 66.63,52.61 66.57,52.68 66.57,53.69
  In3_SIGNAL.Cu w0.18: v1(30.66,21.28) 30.47,21.28 30.44,21.25 30,21.25 29.97,21.28 29.72,21.28 29.09,21.9 29.09,28.75 29.08,28.79 29.07,28.82 29.05,28.86 29.02,28.88 28.99,28.9 28.95,28.92 28.92,28.92 28.74,28.92 28.64,28.93 28.54,28.97 28.46,29.02 28.38,29.09 28.33,29.18 28.3,29.27 28.29,29.37 28.29,29.48 28.3,29.58 28.33,29.67 28.38,29.76 28.46,29.83 28.54,29.88 28.64,29.91 28.74,29.93 28.92,29.93 28.95,29.93 28.99,29.94 29.02,29.96 29.05,29.99 29.07,30.02 29.08,30.06 29.09,30.1 29.09,30.15 29.08,30.19 29.07,30.22 29.05,30.26 29.02,30.28 28.99,30.3 28.95,30.32 28.92,30.32 28.74,30.32 28.64,30.33 28.54,30.37 28.46,30.42 28.38,30.49 28.33,30.58 28.3,30.67 28.29,30.77 28.29,30.88 28.3,30.98 28.33,31.07 28.38,31.16 28.46,31.23 28.54,31.28 28.64,31.31 28.74,31.33 28.92,31.33 28.95,31.33 28.99,31.34 29.02,31.36 29.05,31.39 29.07,31.42 29.08,31.46 29.09,31.5 29.09,35.14 30.49,36.54 30.49,44.89 34.32,48.72 64.6,48.72 66.67,50.79 66.67,51.87 v1(66.51,52.03)
/Display/TMDS_D0_C_N: length 3.6
  Top w0.18: 31.79,11.8 32.09,11.51 32.09,10.93 33.1,9.93 33.1,9.45 33.05,9.4 J4.11
/Display/TMDS_D0_C_P: length 3.6
  Top w0.18: 32.69,11.8 32.4,11.51 32.4,11.06 33.4,10.05 33.4,9.45 33.45,9.4 J4.9
/Display/TMDS_D0_N: length 70.7
  Top w0.18: 31.64,20.33 31.99,20.68 31.99,21.26 32.27,21.54 v1(32.27,21.77)
  Top w0.25: 68.57,53.69 68.57,52.68 68.51,52.61 68.51,52.15 v1(68.63,52.03)
  In3_SIGNAL.Cu w0.18: v1(32.27,21.77) 30.79,23.24 30.8,23.28 30.81,23.32 30.83,23.36 30.86,23.38 30.9,23.41 30.93,23.42 30.97,23.42 31,23.42 31.04,23.43 31.08,23.44 31.11,23.46 31.14,23.49 31.16,23.53 31.18,23.56 31.18,23.6 31.18,23.64 31.16,23.68 31.14,23.72 31.11,23.74 31.08,23.77 31.04,23.78 31,23.78 30.97,23.78 30.93,23.79 30.9,23.8 30.86,23.82 30.83,23.85 30.81,23.89 30.8,23.92 30.79,23.96 30.8,24 30.81,24.04 30.83,24.08 30.86,24.1 30.9,24.13 30.93,24.14 30.97,24.14 31,24.14 31.04,24.15 31.08,24.16 31.11,24.18 31.14,24.21 31.16,24.25 31.18,24.28 31.18,24.32 31.18,24.36 31.16,24.4 31.14,24.44 31.11,24.46 31.08,24.49 31.04,24.5 31,24.5 30.97,24.5 30.93,24.51 30.9,24.52 30.86,24.54 30.83,24.57 30.81,24.61 30.8,24.64 30.79,24.68 30.79,25.57 30.78,25.66 30.75,25.75 30.7,25.83 30.64,25.9 30.56,25.95 30.47,25.98 30.37,25.99 30.2,25.99 30.16,25.99 30.13,26 30.11,26.02 30.08,26.04 30.07,26.07 30.06,26.1 30.05,26.13 30.05,26.21 30.06,26.24 30.07,26.27 30.08,26.3 30.11,26.32 30.13,26.34 30.16,26.35 30.2,26.35 30.37,26.35 30.47,26.36 30.56,26.39 30.64,26.44 30.7,26.51 30.75,26.59 30.78,26.68 30.79,26.77 30.79,26.87 30.78,26.96 30.75,27.05 30.7,27.13 30.64,27.2 30.56,27.25 30.47,27.28 30.37,27.29 30.2,27.29 30.16,27.29 30.13,27.3 30.11,27.32 30.08,27.34 30.07,27.37 30.06,27.4 30.05,27.43 30.05,27.51 30.06,27.54 30.07,27.57 30.08,27.6 30.11,27.62 30.13,27.64 30.16,27.65 30.2,27.65 30.37,27.65 30.47,27.66 30.56,27.69 30.64,27.74 30.7,27.81 30.75,27.89 30.78,27.98 30.79,28.07 30.79,34.83 31.79,35.83 31.79,44.42 34.97,47.59 65.4,47.59 68.63,50.82 v1(68.63,52.03)